# Altium PCB Longde1.PcbDoc
Units mm, origin at the board's own origin, x right, y up, seen from the top; angles counter-clockwise.
Board outline 80.39 x 79.5 mm, 2 copper layers (Top Layer, Bottom Layer); 61 components, 43 nets, 235 pads, 47 vias.
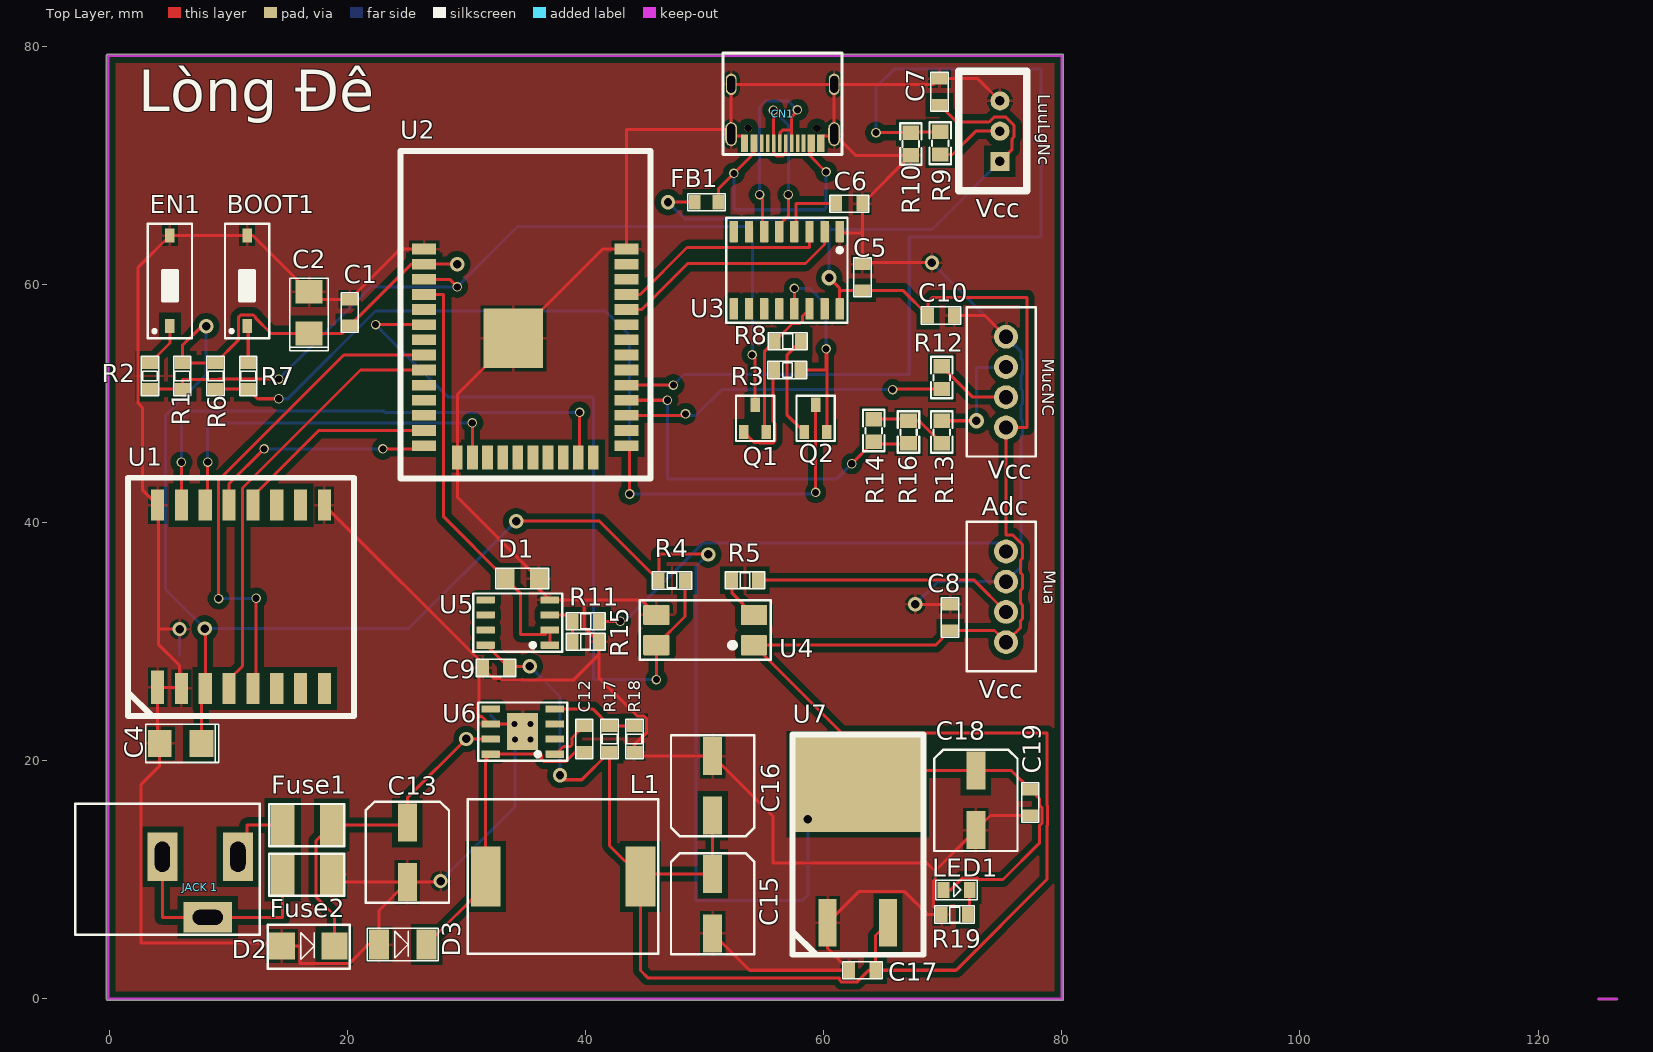
[diagram p0: Top Layer view]
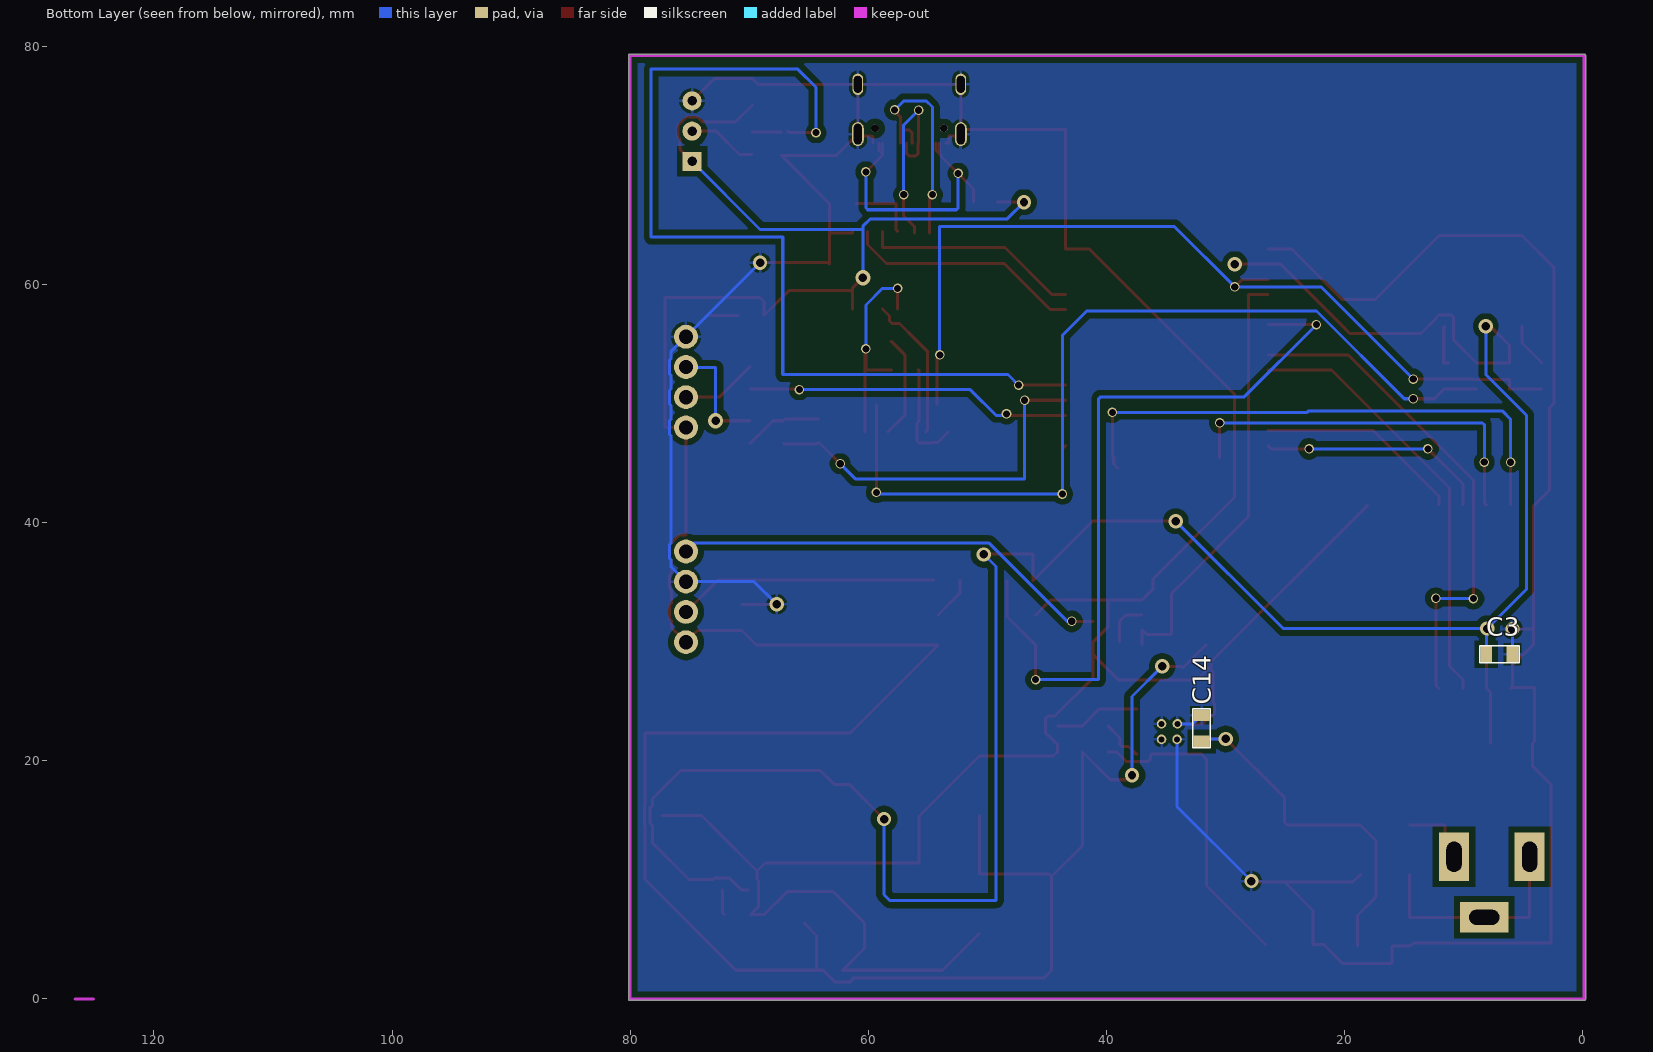
[diagram p1: Bottom Layer view, seen from below]
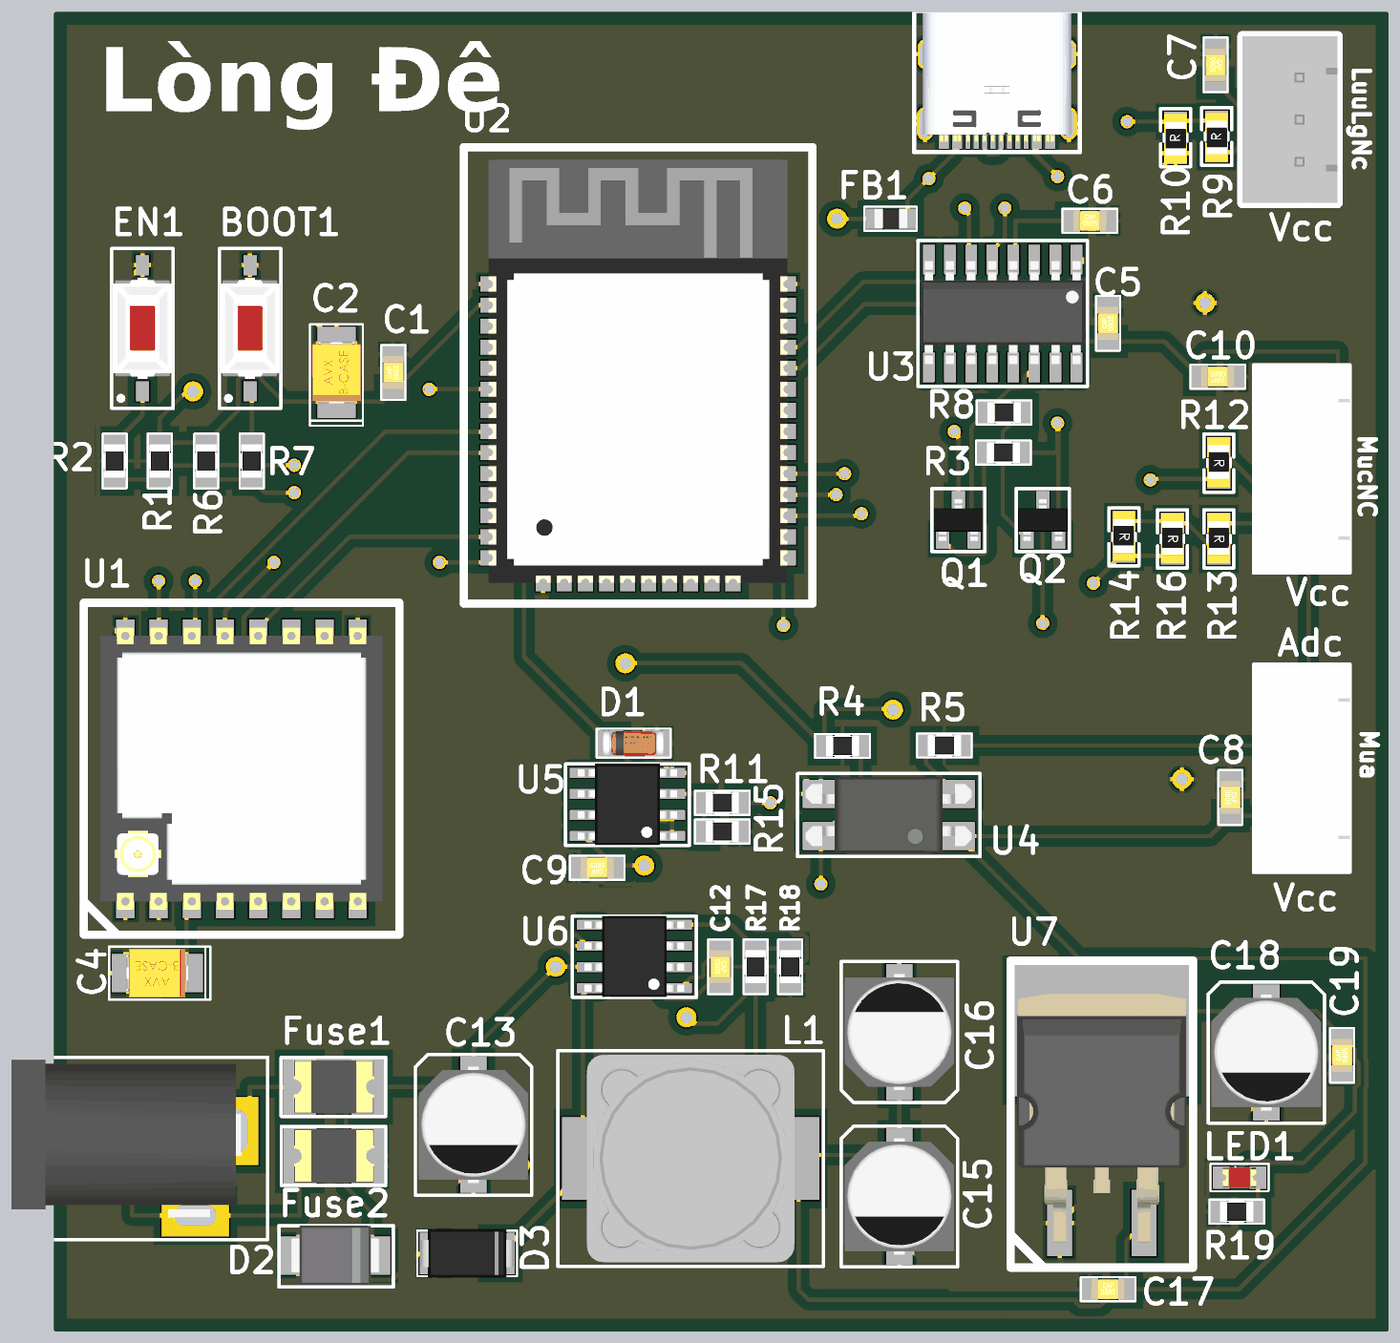
[diagram p2: 3D render of the assembled board from above, using the file's embedded part models]

## Layer stack, top to bottom
Top Solder: solder mask 0.0102, Solder Resist, Dk 3.5
Top Layer: signal copper 0.0356
Dielectric 1: dielectric 0.32, FR-4, Dk 4.8
Bottom Layer: signal copper 0.0356
Bottom Solder: solder mask 0.0102, Solder Resist, Dk 3.5

## Board outline
-0.254,0 -0.254,79.248 cw(c-0.127,79.248) -0.127,79.375 80.01,79.375 cw(c80.01,79.248) 80.137,79.248 80.137,0 cw(c80.01,0) 80.01,-0.127 0,-0.127 -0.064,-0.11 cw(c-0.127,0)

## Design rules (kind name [scope] priority, off if disabled: settings)
Clearance [All] p1: gap=0.254 ignorepadtopadclearanceinfootprint=FALSE except(0.15: SMDPad-Hole; 0.2: Arc-Arc Arc-Track Arc-SMDPad Track-Track Track-SMDPad SMDPad-SMDPad; 0.5: Arc-Poly Track-Poly SMDPad-Poly THPad-Poly Via-Poly Fill-Poly Poly-Poly)
PolygonConnect [All] p1: connectstyle=Relief reliefconductorwidth=0.254 reliefentries=4 polygonreliefangle="90 Angle" airgapwidth=0.254
RoutingVias [All] p1: holewidth=0.8 width=1 viastyle="Through Hole" minholewidth=0.8 minwidth=1 maxholewidth=0.8 maxwidth=1
SolderMaskExpansion [All] p1: expansion=0.102 istentingtop=FALSE
Width Width_1 [All] p1: maxlimit=0.254 minlimit=0.254 preferedwidth=0.254
Width GND_in [InNet('GND_IN')] p2: maxlimit=1 minlimit=0.5 preferedwidth=0.8
Width 12V_IN [InNet('VCC_12_IN')] p3: maxlimit=1 minlimit=0.5 preferedwidth=0.8 checkconnectedcopper=TRUE
Width GND [InNet('GND')] p4: maxlimit=0.8 minlimit=0.4 preferedwidth=0.6
Width 3.3V [InNet('VCC_3.3')] p5: maxlimit=0.5 minlimit=0.3 preferedwidth=0.4
Width 5V [InNet('VCC_5')] p6: maxlimit=0.8 minlimit=0.4 preferedwidth=0.6
Width 12V [InNet('VCC_12')] p7: maxlimit=1 minlimit=0.5 preferedwidth=0.8
Width [InNet('NetCN1_A7')] p8: maxlimit=0.2 minlimit=0.2 preferedwidth=0.2
30 further rules are at their usual default settings.

## Components (designator, comment, footprint, x,y, rotation, side; value= is the part's Value field where it differs from the comment)
BOOT1 "SW_2pin_SMD" SW2-SMD** 11.557,60.325 r90 top
C1 "100nF/50V" CAP-0805** 20.193,57.658 r90 top
C2 "100uF/10V" CAP-TANTA-3528** 16.764,57.658 r90 top
C3 "100nF/50V" CAP-0805** 6.985,28.956 r0 bottom
C4 "100uF/10V" CAP-TANTA-3528** 5.969,21.463 r180 top
C5 "100nF/50V" CAP-0805** 63.247,60.622 r90 top
C6 "100nF/50V" CAP-0805** 62.146,66.802 r0 top
C7 "100nF/50V" CAP-0805** 69.723,76.2 r270 top
C8 "100nF/50V" CAP-0805** 70.612,32.047 r270 top
C9 "100nF/50V" CAP-0805** 32.469,27.813 r180 top
C10 "100nF/50V" CAP-0805** 69.85,57.404 r180 top
C12 "100nF/50V" CAP-0805** 39.878,21.844 r270 top
C13 "100uF/35V" "CAP-AL- Size D8_6.3×7.7 mm**" 25.019,12.319 r270 top
C14 "100nF/50V" CAP-0805** 32.005,22.733 r270 bottom
C15 "100uF/35V" "CAP-AL- Size D8_6.3×7.7 mm**" 50.673,8.001 r270 top
C16 "100uF/35V" "CAP-AL- Size D8_6.3×7.7 mm**" 50.673,17.907 r90 top
C17 "100nF/50V" CAP-0805** 63.246,2.413 r0 top
C18 "100uF/35V" "CAP-AL- Size D8_6.3×7.7 mm**" 72.771,16.677 r270 top
C19 "100nF/50V" CAP-0805** 77.343,16.51 r90 top
CN1 "USB type C-16" "USB TYPE C-16**" 56.551,74.447 r180 top
D1 "ZMM3.3V" DIO_SOD-80C** 34.671,35.306 r180 top
D2 "SMBJ30A" DO-214AA** 16.688,4.445 r0 top
D3 "B340A" DO-214AC** 24.638,4.572 r0 top
EN1 "SW_2pin_SMD" SW2-SMD** 5.08,60.325 r90 top
FB1 "100mA" "FB 0805**" 50.165,66.929 r180 top value=600R/100mA
Fuse1 "T300_3A" FUSE-1812** 16.633,14.576 r0 top
Fuse2 "T300_3A" FUSE-1812** 16.637,10.414 r0 top
"JACK 1" "DC3501" DC_005** 7.62,9.398 r0 top value="Jac DC"
L1 "CDRH12_22uH" IND_CDRH12_12x12x7MM** 38.1,10.287 r0 top value=22uH
LED1 "LedRed" LED-0805-Red** 71.163,9.144 r0 top
LuuLgNc "Header 3P 2.54 Duc Thang" XH2.54M-3 74.803,70.358 r90 top (schematic designator H1)
Mua "XH 2.54mm" "HER_XH2.54MM _4PIN_STRAGHT**" 75.311,33.782 r90 top (schematic designator CN2)
MucNC "XH 2.54mm" "HER_XH2.54MM _4PIN_STRAGHT**" 75.311,51.816 r90 top (schematic designator CN3)
Q1 "MMBT3904" "SOT23-3 **" 54.229,48.768 r0 top
Q2 "MMBT3904" "SOT23-3 **" 59.309,48.768 r0 top
R1 "10K" Res-0805** 6.096,52.324 r90 top
R2 "10K" Res-0805** 3.429,52.324 r270 top
R3 "10K" Res-0805** 56.939,52.857 r0 top
R4 "10K" Res-0805** 47.244,35.179 r0 top
R5 "390R 1%" Res-0805** 53.383,35.154 r180 top
R6 "10K" Res-0805** 8.89,52.324 r90 top
R7 "10K" Res-0805** 11.684,52.324 r270 top
R8 "10K" Res-0805** 56.98,55.22 r180 top
R9 "10k" "tro smd 0805" 69.723,71.882 r90 top
R10 "20k" "tro smd 0805" 67.249,71.812 r90 top
R11 "10K" Res-0805** 40.005,31.75 r0 top
R12 "330R" "Tro SMD 0805" 69.977,52.197 r270 top
R13 "220R" "tro smd 0805" 69.977,47.625 r270 top
R14 "1k" "tro smd 0805" 64.262,47.752 r270 top
R15 "2K" Res-0805** 40.005,29.972 r180 top
R16 "2k" "Tro SMD 0805" 67.183,47.625 r270 top
R17 "10K" Res-0805** 42.037,21.844 r270 top
R18 "3.24K" Res-0805** 44.069,21.844 r90 top
R19 "1K" Res-0805** 70.993,7.112 r0 top
U1 "RA-02" RA-02 11.049,33.782 r90 top
U2 "" ESP32WROOM32E8MB 34.934,54.237 r0 top
U3 "CH340C" SOIC-16** 56.896,61.214 r270 top
U4 "L817BN" SOP-4** 50.038,30.988 r180 top value=PC817
U5 "LM358" SOIC8** 34.29,31.623 r180 top
U6 "TPS5430" SOIC8-PAD** 34.711,22.464 r180 top
U7 "LM1084ISX-3.3" TO-263/D2PAK 62.865,12.214 r0 top

## Footprints (in the part's own frame and the unit in brackets; to place one, negate y for a bottom-side part, rotate by r counter-clockwise, add the part's x,y. Pads: shape width x height; smd on the part's side, far side on the other; paste and mask are expansions set on the pad)
CAP-0805** [mm]
  rect 1x1.35 smd: 1(-1.1,0) 2(1.1,0)
  silkscreen extent -1.65,-0.72 1.65,0.73, body extent -1,-0.62 1,0.63, height 1.25
"CAP-AL- Size D8_6.3×7.7 mm**" [mm] "6.3×7.7 mm"
  rect 3.2x1.6 smd: 1(-2.5,0) 2(2.5,0)
  silkscreen extent -4.25,-3.5 4.25,3.5, body extent -3.5,-3.3 3.5,3.3, height 7.71
CAP-TANTA-3528** [mm]
  rect 2x2.3 smd: 1(-1.75,0) 2(1.75,0)
  silkscreen extent -3.2,-1.6 2.9,1.6, body extent -1.85,-1.46 1.85,1.47, height 2.03
DC_005** [mil] "Jack DC3.5x1.3MM DC3501"
  rect 100x160 hole 50 slot 100 at 90 deg: 1(125,100) 2(-125,100)
  rect 160x100 hole 50 slot 100 at 0 deg: 3(25,-100)
  silkscreen extent -413,-157 197,276, body extent -410,-105 134,269, height 434
DIO_SOD-80C** [mm]
  rect 1.5x1.6 smd: 1(-1.4,0) 2(1.4,0)
  silkscreen extent -2.22,-0.89 2.23,0.86, body extent -1.82,-0.8 1.88,0.8, height 1.6
DO-214AA** [mm]
  rect 2.2x2.3 smd: 1(-2.21,0) 2(2.21,0)
  silkscreen extent -3.39,-1.9 3.5,1.8, body extent -2.7,-1.8 2.7,1.8, height 2.32
DO-214AC** [mm]
  rect 1.7x2.5 smd: 1(-2,0) 2(2,0)
  silkscreen extent -3,-1.37 3,1.38, body extent -2.8,-1.48 2.8,1.48, height 2.7
ESP32WROOM32E8MB [mm]
  rect 2x0.9 smd: 1(-8.5,8.755) 2(-8.5,7.485) 3(-8.5,6.215) 4(-8.5,4.945) 5(-8.5,3.675) 6(-8.5,2.405) 7(-8.5,1.135) 8(-8.5,-0.135) 9(-8.5,-1.405) 10(-8.5,-2.675) 11(-8.5,-3.945) 12(-8.5,-5.215) 13(-8.5,-6.485) 14(-8.5,-7.755) 25(8.5,-7.755) 26(8.5,-6.485) 27(8.5,-5.215) 28(8.5,-3.945) 29(8.5,-2.675) 30(8.5,-1.405) 31(8.5,-0.135) 32(8.5,1.135) 33(8.5,2.405) 34(8.5,3.675) 35(8.5,4.945) 36(8.5,6.215) 37(8.5,7.485) 38(8.5,8.755)
  rect 0.9x2 smd: 15(-5.715,-8.755) 16(-4.445,-8.755) 17(-3.175,-8.755) 18(-1.905,-8.755) 19(-0.635,-8.755) 20(0.635,-8.755) 21(1.905,-8.755) 22(3.175,-8.755) 23(4.445,-8.755) 24(5.715,-8.755)
  rect 5x5 smd: 38(-1,1.255)
  silkscreen extent -10.5,-10.5 10.5,17, body extent -9,-9.25 9,16.25, height 3.1
"FB 0805**" [mm] "Chip Resistor, Body 2.0x1.2mm, IPC High Density"
  rect 1x1.2 smd: 1(-1,0) 2(1,0)
  silkscreen extent -1.55,-0.72 1.6,0.73, body extent -1,-0.6 1,0.6, height 0.95
FUSE-1812** [mm]
  rect 2x3.5 smd: 1(-2.084,0.029) 2(2.036,0.029)
  silkscreen extent -3.2,-1.75 3.1,1.8, body extent -2.43,-1.58 2.39,1.64, height 1.32
"HER_XH2.54MM _4PIN_STRAGHT**" [mm] "XH2.54MM 90 d? 2.54"
  round 2 hole 1.2 mask+0.1: 1(-3.81,0) 2(-1.27,0) 3(1.27,0) 4(3.81,0)
  silkscreen extent -6.25,-2.5 6.3,3.3, body extent -6.25,-2.5 6.25,3.3, height 7
IND_CDRH12_12x12x7MM** [mm]
  rect 2.5x5 smd: 1(-6.5,0) 2(6.5,0)
  silkscreen extent -8,-6.5 8,6.5, body extent -6.25,-6.25 6.25,6.25, height 6
LED-0805-Red** [mm]
  rect 1x1.35 smd: 1(-1.1,0) 2(1.1,0)
  silkscreen extent -1.75,-0.82 1.75,0.82, body extent -1.01,-0.63 1.01,0.63, height 1.1
RA-02 [mm]
  rect 2.8x1.1 smd: 1(-7.6,7)
  rect 2.6x1.1 smd: 2(-7.7,5) 3(-7.7,3) 4(-7.7,1) 5(-7.7,-1) 6(-7.7,-3) 7(-7.7,-5) 8(-7.7,-7) 9(7.7,-7) 10(7.7,-5) 11(7.7,-3) 12(7.7,-1) 13(7.7,1) 14(7.7,3) 15(7.7,5) 16(7.7,7)
  silkscreen extent -10,-9.5 10,9.5, body extent -8.5,-8.5 8.5,8.5, height 3.3
Res-0805** [mm]
  rect 1x1.35 smd: 1(-1.1,-0.025) 2(1.1,-0.025)
  silkscreen extent -1.65,-0.75 1.65,0.7, body extent -1,-0.65 1,0.6, height 0.5
SOIC8** [mm]
  rrect10% 1.55x0.6 smd mask+0.07: 1(-2.7,1.905) 2(-2.7,0.635) 3(-2.7,-0.635) 4(-2.7,-1.905) 5(2.7,-1.905) 6(2.7,-0.635) 7(2.7,0.635) 8(2.7,1.905)
  silkscreen extent -3.73,-2.44 3.73,2.46, body extent -3,-2.45 3,2.45, height 1.75
SOIC8-PAD** [mm]
  rrect10% 1.55x0.6 smd mask+0.07: 1(-2.7,1.905) 2(-2.7,0.635) 3(-2.7,-0.635) 4(-2.7,-1.905) 5(2.7,-1.905) 6(2.7,-0.635) 7(2.7,0.635) 8(2.7,1.905)
  round 0.8 hole 0.5: 9(-0.65,0.65) 9(-0.65,-0.65) 9(0.65,0.65) 9(0.675,-0.65)
  rect 2.6x3.1 smd mask+0.07: 9(0,0)
  silkscreen extent -3.73,-2.44 3.73,2.46, body extent -3,-2.45 3,2.45, height 1.75
SOIC-16** [mm]
  rrect10% 1.8x0.7 smd: 1(-3.25,4.445) 2(-3.25,3.175) 3(-3.25,1.905) 4(-3.25,0.635) 5(-3.25,-0.635) 6(-3.25,-1.905) 7(-3.25,-3.175) 8(-3.25,-4.445) 9(3.25,-4.445) 10(3.25,-3.175) 11(3.25,-1.905) 12(3.25,-0.635) 13(3.25,0.635) 14(3.25,1.905) 15(3.25,3.175) 16(3.25,4.445)
  silkscreen extent -4.4,-5.1 4.4,5.1, body extent -3.15,-4.95 3.05,4.95, height 1.7
SOP-4** [mm]
  rrect10% 2.2x1.7 smd mask+0.07: 1(-4.1,1.27) 2(-4.1,-1.27) 3(4.1,-1.27) 4(4.1,1.27)
  silkscreen extent -5.5,-2.5 5.5,2.5, body extent -4.99,-2.29 5.02,2.29, height 3.95
"SOT23-3 **" [mm] "SOT23, 3-Leads, Body 2.97x2.30mm, Pitch 0.95mm, IPC Medium Density"
  rect 0.8x1.2 smd mask+0.07: 1(-0.95,-1.15) 2(0.95,-1.15) 3(0,1.15)
  silkscreen extent -1.6,-1.9 1.6,1.9, body extent -1.5,-1.25 1.5,1.25, height 1.11
SW2-SMD** [mm]
  rect 1.2x0.8 smd: 1(-3.8,0) 2(3.8,0)
  silkscreen extent -4.82,-1.85 4.8,1.85, body extent -3.05,-1.85 3.05,1.85, height 2.5
TO-263/D2PAK [mm]
  rect 1.5x4 smd: 1(-2.54,-5.82) 3(2.54,-5.82)
  rect 11x8 smd: 2(0,5.82)
  silkscreen extent -5.5,-8.5 5.5,10, body extent -5.1,-7 5.1,8.01, height 4.5
"tro smd 0805" [mm]
  rect 1.2x1.4 smd: 1(-0.946,-0.061) 2(0.954,-0.061)
  silkscreen extent -1.75,-0.97 1.75,0.84, body extent -1.56,-0.76 1.44,0.64, height 0.53
"Tro SMD 0805" [mm]
  rect 1.2x1.4 smd: 1(-0.946,-0.061) 2(0.954,-0.061)
  silkscreen extent -1.75,-0.97 1.75,0.84, body extent -1.56,-0.76 1.44,0.64, height 0.53
"USB TYPE C-16**" [mm]
  rect 0.3x1.5 smd mask+0.05: A1(-3.35,2.565) A4(-2.55,2.565) A5(-1.25,2.565) A6(-0.25,2.565) A7(0.25,2.565) A8(1.25,2.565) A9(2.55,2.565) A12(3.35,2.565) B1(3.05,2.565) B4(2.25,2.565) B5(1.75,2.565) B6(0.75,2.565) B7(-0.75,2.565) B8(-1.75,2.565) B9(-2.25,2.565) B12(-3.05,2.565)
  oval 1x2 hole 0.65 slot 1.72 at 90 deg: MH1(-4.325,1.795) MH2(4.325,1.795)
  oval 0.9x1.8 hole 0.65 slot 1.4 at 90 deg: MH3(-4.325,-2.385) MH4(4.325,-2.385)
  round 0.65 hole 0.65 unplated: ""(-2.89,1.315) ""(2.89,1.315)
  silkscreen extent -5,-5 5,3.5, body extent -4.47,-4.88 4.47,2.87, height 3.26
XH2.54M-3 [mm]
  rect 1.6x1.6 hole 0.8: 1(0,0)
  round 1.6 hole 0.8: 2(2.54,0) 3(5.08,0)
  silkscreen extent -2.48,-2.26 7.56,3.46, body extent -2.48,-2.26 7.56,3.48, height 6.91

## Part data
C1 C3 C5 C6 C7 C8 C9 C10 C12 C14 C17 C19: library part Cap-100nF/50V_0805, "2Pin-SMD-0805 ,Ceramic X7R", Supplier Part Number 1=478-5794-1-ND, ComponentLink2Description=LINK, ComponentLink2URL=https://detail.tmall.com/item.htm?spm=a230r.1.14.4.26821280N1IkGr&id=14263740089&ns=1&abbucket=13, Supplier 1=Digi-Key
C2 C4: library part "Cap-Tanta_100uF/10V 3528", "Cap-Tantalum  SMD3528 3.5mm x 2.8mm", ComponentLink1Description=LINK, ComponentLink1URL=https://www.linhkienchatluong.vn/tu-tantalium/tu-tantalum-3528-107a-10v-100uf-35x28mm-tajb107m010rnj_sp460_ct1163.aspx
C13 C15 C16 C18: library part Cap-Al_100uF/35V, "Cap-Al-Size D8_6.3×7.7 mm", Supplier Part Number 1=PCE4023CT-ND, ComponentLink1Description=LINK, ComponentLink1URL=https://detail.tmall.com/item.htm?id=41255381063&ali_refid=a3_430620_1006:1109983619:N:mR14IaEyJGx9IXgn9mrJ8g==:fcc8671f3f0767a2a283883aff17c2c8&ali_trackid=1_fcc8671f3f0767a2a283883aff17c2c8&spm=a230r.1.14.11, Supplier 1=Digi-Key
CN1: Package=None, Availability="In Stock", Check_prices=https://www.snapeda.com/parts/CSP-USC16-TR/Valcon/view-part/?ref=eda, MF=Valcon, MP=CSP-USC16-TR, Price=None, Purchase-URL=https://pricing.snapeda.com/search/part/CSP-USC16-TR/?ref=eda, SnapEDA_Link=https://www.snapeda.com/parts/CSP-USC16-TR/Valcon/view-part/?ref=snap
D1: library part DZener_ZMM3.3V, "DZener_ZMM3.3V,SOD-80C", ComponentLink1Description=LINK, ComponentLink1URL=https://detail.tmall.com/item.htm?spm=a230r.1.14.11.4c6f2e27C7N5AA&id=44184695267&ns=1&abbucket=16&skuId=3817262781770
D2: library part D-TVS_SMBJ30A, "DO-214AA**", Supplier Part Number 1=497-7452-1-ND, Supplier 1=Digi-Key
D3: library part DSchottky_B340A, "DO_214AC", Supplier Part Number 1=B340A-FDICT-ND, Code_JEDEC=DO-214-AA, LatestRevisionDate=17-Jul-2002, LatestRevisionNote="Re-released for DXP Platform.", PackageDescription="DO-214-AA/SMB; 2 C-Bend Leads; Body 5.3 x 3.6 mm, inc. leads (LxW)", PackageReference=SMB, Published=8-Jun-2000, Publisher="Altium Limited", Supplier 1=Digi-Key
FB1: library part FB0805/600R_0805, "FB0805/600R/0805", Supplier Part Number 1=732-1605-1-ND, Code_IEC=1005, Code_JEITA=0402, ComponentLink1Description=LINK, ComponentLink1URL=https://detail.tmall.com/item.htm?spm=a230r.1.14.19.4d2d4104dPStzc&id=520400456792&ns=1&abbucket=14, LatestRevisionDate=29-May-2009, LatestRevisionNote="IPC-7351 Footprint Added.", PackageDescription="Chip Inductor", PackageReference=0402-A, Published=8-Jun-2000, Publisher="Altium Limited", Supplier 1=Digi-Key
Fuse1 Fuse2: library part "FUSE 3A _1812", "SMD 1812", ComponentLink1Description=LINK
"JACK 1": library part "Jack  DC3501", "Jack DC3.5x1.3MM DC3501", ComponentLink1Description=LINK, ComponentLink1URL=https://banlinhkien.vn/search.php?encode=YToyOntzOjg6ImtleXdvcmRzIjtzOjc6IiBEQzM1MDEiO3M6MTg6InNlYXJjaF9lbmNvZGVfdGltZSI7aToxNTk1MTMzOTcxO30=
L1: library part IN_CDRH12_22uH, "CDRH12_12x12x7MM**", Manufacturer="Generic Components", Class=Passive, ComponentLink1Description=LINK, ComponentLink1URL=https://detail.tmall.com/item.htm?spm=a230r.1.14.4.22082c55KfJoCj&id=611579782762&ns=1&abbucket=13, Published=08/06/2000, Publisher="Altium Hobart Technology Centre", SubClass=Inductor
LED1: "2Pin-SMD"
LuuLgNc: "Cắm", Chung_Loai=Cắm, Don_Vi=Con, Ma_Hang=MH001292, Ten_Linh_Kien="Header 3P XH2.54-3P Đực Thẳng"
Mua MucNC: library part "HER_4_XH 2.54mm", "HER_4_XH 2.54mm", ComponentLink1Description=LINK, ComponentLink1URL=https://detail.tmall.com/item.htm?spm=a230r.1.14.1.7abc6ed1rwoYSw&id=13300685584&ns=1&abbucket=14
Q1 Q2: library part TRA-N_MMBT3904, "3PIN-SOT23,MMBT3904", ComponentLink1Description=LINK, ComponentLink1URL=https://item.taobao.com/item.htm?id=527006583092&ali_refid=a3_430620_1006:1121200726:N:XI%2BpTmT8xw9bZIeM%2FjTiLA%3D%3D:19dd16769967fd6e0912d0270aacb09b&ali_trackid=1_19dd16769967fd6e0912d0270aacb09b&spm=a230r.1.14.6#detail
R1 R2 R3 R4 R6 R7 R8 R11 R17: library part "Res-10K 0805 SMD", "Res-10K 0805 SMD", Supplier Part Number 1=P2.2KADCT-ND, ComponentLink1Description=LINK, ComponentLink1URL=https://item.taobao.com/item.htm?id=9650284639&ali_refid=a3_430620_1006:1103178945:N:UGPSVTFPMeU0i498yOmUJg%3D%3D:a0464737d977578f179f11ed5bc90629&ali_trackid=1_a0464737d977578f179f11ed5bc90629&spm=a230r.1.14.3#detail, Supplier 1=Digi-Key
R5: library part "Res-390R 1% 0805 SMD", ComponentLink1Description=LINK, ComponentLink1URL=https://www.linhkienchatluong.vn/dien-tro-dan-0805-18w/dien-tro-dan-0805-430k-1-50c_sp837_ct5409.aspx
R9: library part "Tro 0805 1% 10k", "Dán", Chung_Loai=Dán, Don_Vi=Con, Ma_Hang=MH005473, So_Chan=2, Ten_Linh_Kien="Trở 0805 1% 10k"
R10: library part "Tro 0805 5% 20k", "Dán", Chung_Loai=Dán, Don_Vi=Con, Ma_Hang=MH005247, So_Chan=2, Ten_Linh_Kien="Trở 0805 5% 20k"
R12: library part "Tro 0805 5% 330R", "Dán", Chung_Loai=Dán, Don_Vi=Con, Ma_Hang=MH005337, So_Chan=2, Ten_Linh_Kien="Trở 0805 5% 330R"
R13: library part "Tro 0805 5% 220R", "Dán", Chung_Loai=Dán, Don_Vi=Con, Ma_Hang=MH005259, So_Chan=2, Ten_Linh_Kien="Trở 0805 5% 220R"
R14: library part "Tro 0805 1% 1k", "Dán", Chung_Loai=Dán, Don_Vi=Con, Ma_Hang=MH005468, So_Chan=2, Ten_Linh_Kien="Trở 0805 1% 1k"
R15: library part "Res-2K 0805 SMD", "Res-2KK 0805 SMD", Supplier Part Number 1=P20KDBCT-ND, ComponentLink1Description=LINK, ComponentLink1URL=https://banlinhkien.com/tro-0805-5-2k-50c-p6653599.html, Supplier 1=Digi-Key
R16: library part "Tro 0805 5% 2k", "Dán", Chung_Loai=Dán, Don_Vi=Con, Ma_Hang=MH005304, So_Chan=2, Ten_Linh_Kien="Trở 0805 5% 2k"
R18: library part "Res-3.24K 0805 SMD", "Res-3.24K 0805 SMD", Supplier Part Number 1=P2.2KADCT-ND, ComponentLink1Description="New link", ComponentLink1URL=https://detail.tmall.com/item.htm?spm=a230r.1.14.40.76941cc8lWAt5G&id=601599239036&ns=1&abbucket=13&skuId=4207155181076, Supplier 1=Digi-Key
R19: library part "Res-1K 0805 SMD", "Res-1K 0805 SMD", Supplier Part Number 1=311-1.00KCRDKR-ND, ComponentLink1Description=LINK, ComponentLink1URL=https://detail.tmall.com/item.htm?spm=a230r.1.14.11.52f63c9f5M7ld0&id=590284119473&ns=1&abbucket=18, Supplier 1=Digi-Key
U1: "General ISM < 1GHz LoRaâ„¢ Transceiver Module 410MHz ~ 525MHz Antenna Not Included, I-PEX Surface Mount", Package=None, Check_prices=https://www.snapeda.com/parts/RA-02/AI-Thinker/view-part/?ref=eda, MF=Ai-Thinker, MP=RA-02, SnapEDA_Link=https://www.snapeda.com/parts/RA-02/AI-Thinker/view-part/?ref=snap
U2: library part ESP32-WROOM-32E__8MB_, "Integrated Circuit", Manufacturer_Name="Espressif Systems", Manufacturer_Part_Number="ESP32-WROOM-32E (8MB)", Mouser Part Number=356-ESP32WRM32E164PH, Datasheet Link=https://www.espressif.com/sites/default/files/documentation/esp32-wroom-32_datasheet_en.pdf, Height=3.2mm, Mouser Price/Stock=https://www.mouser.co.uk/ProductDetail/Espressif-Systems/ESP32-WROOM-32E-8MB?qs=GBLSl2AkirsjshqvD9slKA%3D%3D
U3: "16Pin-SOIC", ComponentLink1Description=LINK, ComponentLink1URL=https://item.taobao.com/item.htm?id=639554726734&ali_refid=a3_430620_1006:1261900192:N:GznzMacpvOVvv07TLoCAYw%3D%3D:7282688349290e4dc0857049d96b4ef9&ali_trackid=1_7282688349290e4dc0857049d96b4ef9&spm=a230r.1.14.6#detail
U4: library part OPTO_L817BN, "L817BN SOP4", ComponentLink1Description=LINK, ComponentLink1URL=https://item.taobao.com/item.htm?spm=a230r.1.14.19.6c471961JMIiKV&id=598294866942&ns=1&abbucket=16#detail
U5: "SOIC8"
U6: "SOIC8 pad-Height 1.7mm", Supplier Part Number 1=296-19447-5-ND, ComponentLink1Description=LINK, ComponentLink1URL=https://item.taobao.com/item.htm?id=575547225646&ali_refid=a3_430620_1006:1157180137:N:TqzOo3Qsw2wJKBie%2FoCIZA%3D%3D:72b2137211524287db0a57c77fec9fe5&ali_trackid=1_72b2137211524287db0a57c77fec9fe5&spm=a230r.1.14.3#detail, Supplier 1=Digi-Key
U7: "TO263-3"
BOOT1 EN1: ComponentLink1Description=LINK, ComponentLink1URL=https://www.linhkienchatluong.vn/nut-nhan-sieu-nho/nut-nhan-2-chan-dan-3x6x25mm-loai-tot-dong-day-10c_sp849_ct1800.aspx

## Via types
v1: diameter 0.8, hole 0.6, Top Layer to Bottom Layer, 31 vias
v2: diameter 1.2, hole 0.711, Top Layer to Bottom Layer, 14 vias
v3: diameter 1.27, hole 0.711, Top Layer to Bottom Layer, 2 vias

## Nets (pads, with @x,y where several pads share a name; then routed paths per layer and width w, separated by ;. In a path a pad name is that pad's centre, name@x,y a point inside that pad or via, vN(x,y) a via of type N, cw(c..) or ccw(c..) an arc to the next point about the centre after c; other vN are vias at no path point)
ADC_IN_1: Mua.4 R11.2 | length 37.2
  Top Layer w0.254: R11.2 v1(42.901,31.725)
  Bottom Layer w0.254: v1(42.901,31.725) 43.291,31.725 49.886,38.319 50.698,38.319 74.584,38.319 Mua.4
D1: Mua.2 R5.1 | length 21.9
  Top Layer w0.254: R5.1 72.644,35.179 Mua.2
DTR#: Q2.2 R3.2 U3.13 | length 19.5
  Top Layer w0.254: U3.13 v1(57.531,59.69) ; R3.2 60.071,52.832 60.198,52.959 v1(60.198,54.61) 60.259,54.549 Q2.2
  Bottom Layer w0.254: v1(57.531,59.69) 58.801,59.69 60.198,58.293 v1(60.198,54.61)
EN_ESP32: Q1.3 R1.1 R2.2 U2.3 | length 74.8
  Top Layer w0.254: R2.2 R1.1 6.121,52.045 8.099,52.045 8.105,52.051 9.144,52.051 9.163,52.07 v1(14.224,52.07) ; U2.3 28.575,60.452 v1(29.21,59.817) ; v1(53.975,54.102) 54.229,53.848 Q1.3
  Bottom Layer w0.254: v1(14.224,52.07) 21.971,59.817 v1(29.21,59.817) 34.269,64.876 53.996,64.876 53.996,54.123 v1(53.975,54.102)
ESP32_ADC_1: D1.2 U2.4 U5.1 U5.2 | length 36.8
  Top Layer w0.254: U2.4 28.075,59.182 28.075,40.502 D1.2 34.544,34.033 34.544,30.607 36.609,30.607 U5.2 U5.1
ESP32_GPIO_ECHO: R14.2 R16.2 U2.28 | length 31.6
  Top Layer w0.254: U2.28 v1(46.863,50.292) ; v1(62.357,44.958) 64.102,46.703 64.296,46.703 64.39,46.609 67.061,46.609 R16.2
  Bottom Layer w0.254: v1(46.863,50.292) 46.863,43.688 61.087,43.688 v1(62.357,44.958)
ESP32_GPIO_TRIGGER: R12.2 U2.27 | length 27.5
  Top Layer w0.254: U2.27 48.26,49.022 v1(48.387,49.149) ; v1(65.786,51.181) 65.848,51.243 R12.2
  Bottom Layer w0.254: v1(48.387,49.149) 48.514,49.022 49.276,49.022 51.435,51.181 v1(65.786,51.181)
ESP32_GPIO_YF-S201C: R9.2 R10.2 U2.29 | length 84.1
  Top Layer w0.254: U2.29 v1(47.371,51.562) ; v1(64.389,72.771) 66.675,72.771 R10.2@66.802,72.898 ; R10.2 67.38,72.836 R9.2
  Bottom Layer w0.254: v1(47.371,51.562) 48.26,52.451 67.183,52.451 67.183,64.008 78.232,64.008 78.232,78.105 65.913,78.105 64.389,76.581 v1(64.389,72.771)
GND: BOOT1.2 C1.2 C2.2 C3.1 C4.2 C5.2 C6.2 C7.1 C8.1 C9.2 C10.1 C13.2 C14.1 C15.2 C16.2 C17.1 C18.2 C19.1 CN1.A1 CN1.A12 CN1.B1 CN1.B12 CN1.MH1 CN1.MH2 CN1.MH3 CN1.MH4 D1.1 D2.1 D3.1 EN1.2 Fuse2.2 LuuLgNc.3 Mua.3 MucNC.4 R10.1 R15.1 R18.1 R19.1 U1.1 U1.2 U1.9 U1.16 U2.1 U2.15 U2.38 U3.1 U4.3 U5.4 U6.6 U6.9 U7.1 | length 455.1
  Top Layer w0.254: v2(5.885,31.072) 4.15,31.072 4.107,31.115 ; U1.2 U1.2@5.949,26.182 ; U1.9 31.209,28.322 C9.2@31.209,27.653 ; Fuse2.2 19.297,9.819 C13.2 ; U2.1 24.427,62.992 C1.2 17.414,58.758 C2.2 12.047,64.125 BOOT1.2 EN1.2 2.413,61.458 2.413,54.071 2.402,54.059 2.402,52.789 2.413,52.777 2.413,51.871 2.402,51.859 2.402,50.589 2.413,50.577 2.413,50.038 2.76,49.691 2.76,42.771 U1.16 4.107,41.424 4.107,31.115 ; v2(27.813,9.906) 27.726,9.819 C13.2 ; U6.9@34.036,23.114 34.021,23.099 U6.6 31.892,23.099 31.249,23.742 31.118,23.742 30.909,23.951 30.909,24.787 31.05,24.927 31.05,27.494 C9.2@31.209,27.653 ; U4.3 44.668,33.528 39.878,33.528 ; C15.2 53.761,2.413 C17.1 60.325,4.234 U7.1 62.948,9.017 66.802,9.017 68.732,7.087 R19.1 69.236,7.744 69.236,9.954 69.342,10.06 69.342,10.748 ; CN1.B1 CN1.A12 53.201,72.482 53.178,72.505 52.373,72.505 CN1.MH2 ; CN1.B12 59.601,72.403 59.624,72.426 59.878,72.426 59.901,72.449 59.901,72.482 59.924,72.505 60.729,72.505 CN1.MH1 ; U3.1 61.341,64.337 63.097,64.337 63.246,64.486 ; v2(67.691,33.147) C8.1 ; v2(69.088,61.849) 63.374,61.849 C5.2 C6.2 67.31,70.864 R10.1 62.662,70.866 CN1.MH1 ; C10.1 73.533,57.404 MucNC.4 ; LuuLgNc.3 72.941,77.3 C7.1 69.255,76.832 CN1.MH3 ; C19.1 74.004,15.41 C18.2 69.342,10.748 ; 4.107,31.115 4.107,29.802 5.885,28.024 5.885,26.246 U1.2@5.949,26.182 ; U1.2@5.949,26.182 U1.1 4.049,21.633 C4.2 4.219,19.586 2.667,18.034 2.667,4.699 14.224,4.699 D2.1 16.002,4.445 16.002,2.968 20.133,2.968 21.737,4.572 D3.1 22.638,7.438 C13.2 ; C9.2@31.209,27.653 C9.2 32.258,26.924 32.821,26.924 32.934,26.811 39.003,26.811 41.105,28.913 R15.1 ; 39.878,33.528 U5.4 36.071,34.447 D1.1 29.219,42.158 U2.15 29.219,50.777 33.934,55.492 41.434,62.992 43.434,62.992 43.434,73.025 51.853,73.025 CN1.MH2 ; 39.878,33.528 39.878,31.224 R15.1 ; R15.1 41.105,26.989 44.323,23.771 44.905,23.771 45.096,23.579 45.096,22.309 44.905,22.117 44.85,22.117 44.094,21.361 R18.1 44.431,20.407 C16.2 55.753,15.327 55.753,11.43 68.66,11.43 69.342,10.748 ; CN1.MH2 CN1.MH4 CN1.MH3 ; CN1.MH1 CN1.MH3
  Bottom Layer w0.254: C3.1 v2(5.885,31.072) ; v2(27.813,9.906) 34.061,16.154 U6.9@34.061,21.814 ; C14.1 32.724,23.114 U6.9@34.036,23.114 ; v2(67.691,33.147) 69.596,35.052 Mua.3 76.581,36.322 76.581,36.909 76.692,37.02 76.692,38.164 76.581,38.275 76.581,47.323 76.692,47.434 76.692,48.578 76.581,48.689 76.581,49.863 76.692,49.974 76.692,51.118 76.581,51.229 76.581,52.403 76.692,52.514 76.692,53.658 76.581,53.769 76.581,54.356 MucNC.4 v2(69.088,61.849)
GND_IN: "JACK 1.2" "JACK 1.3" Fuse2.1 | length 20.4
  Top Layer w0.254: 5.588,10.795 4.445,11.938 4.445,6.858 8.255,6.858 14.553,6.858 Fuse2.1
GPIO0_ESP: Q2.3 R6.1 R7.2 U2.25 | length 79.5
  Top Layer w0.254: R6.1 R7.2 12.464,50.419 v1(14.224,50.419) ; U2.25 43.688,46.228 v1(43.688,42.418) ; v1(59.309,42.545) Q2.3
  Bottom Layer w0.254: v1(14.224,50.419) 14.986,50.419 22.352,57.785 41.656,57.785 43.688,55.753 v1(43.688,42.418) 59.182,42.418 v1(59.309,42.545)
LORA_INT: U1.5 U2.8 | length 42.4
  Top Layer w0.254: v1(9.172,33.627) 9.172,43.589 19.685,54.102 U2.8 ; U1.5 12.319,26.352 v1(12.319,33.655)
  Bottom Layer w0.254: v1(9.172,33.627) 9.186,33.641 12.305,33.641 v1(12.319,33.655)
LORA_RESET: U1.4 U2.9 | length 36.7
  Top Layer w0.254: U1.4 10.049,26.832 11.172,27.955 11.172,42.917 21.087,52.832 U2.9
NetBOOT1_1: BOOT1.1 R7.1 | length 3.5
  Top Layer w0.254: R7.1@11.26,53.424 R7.1 11.659,56.423 BOOT1.1
NetC6_1: C6.1 U3.4 | length 5.8
  Top Layer w0.254: U3.4 57.658,64.591 57.658,66.802 C6.1
NetC12_1: C12.1 U6.1 | length 3.8
  Top Layer w0.254: U6.1 37.493,20.559 38.136,21.202 38.728,21.202 38.862,21.336 38.862,21.928 C12.1
NetC12_2: C12.2 D3.2 L1.1 U6.8 | length 26.9
  Top Layer w0.254: D3.2 31.6,9.534 L1.1 31.6,20.148 U6.8 36.21,20.559 36.309,20.46 36.309,20.141 36.518,19.932 38.304,19.932 39.116,20.744 C12.2
NetCN1_A4: CN1.A4 CN1.A9 CN1.B4 CN1.B9 FB1.1 | length 25
  Top Layer w0.254: FB1.1 51.165,68.056 53.893,70.784 53.893,70.874 54.001,70.982 ; CN1.A9 54.001,70.982 ; CN1.B4 54.301,71.282 54.001,70.982 ; CN1.B9 58.801,70.982 ; CN1.A4 59.101,71.282 58.801,70.982 ; v1(60.198,69.469) 58.801,70.866 58.801,70.982
  Bottom Layer w0.254: v1(52.451,69.342) 52.451,66.443 52.6,66.294 60.049,66.294 60.198,66.443 v1(60.198,69.469)
NetCN1_A6: CN1.A6 CN1.B6 U3.5 | length 17
  Top Layer w0.254: v1(55.778,74.651) 55.778,71.905 CN1.B6 55.824,71.859 55.824,70.997 56.016,70.805 56.586,70.805 56.778,70.997 56.778,71.859 CN1.A6 ; U3.5@56.134,64.337 56.134,64.887 57.023,65.776 v1(57.023,67.564) v1@57.023,67.688
  Bottom Layer w0.254: v1(55.778,74.651) 57.023,73.406 v1(57.023,67.564)
NetCN1_A7: CN1.A7 CN1.B7 U3.6 | length 19.4
  Top Layer w0.254: v1(54.61,67.564) 54.61,67.44 54.864,67.186 U3.6@54.864,64.337 ; CN1.A7 56.324,71.905 56.324,72.767 56.557,73 57.301,73 ; CN1.B7 57.301,73 ; v1(57.785,74.676) 57.785,74.602 57.301,74.118 57.301,73
  Bottom Layer w0.254: v1(54.61,67.564) 54.61,74.93 55.118,75.438 57.023,75.438 v1(57.785,74.676)
NetCN3_2: MucNC.2 R12.1 | length 6.5
  Top Layer w0.254: R12.1 72.513,50.546 MucNC.2
NetCN3_3: MucNC.3 R13.1 | length 9.9
  Top Layer w0.254: R13.1 v3(72.828,48.571)
  Bottom Layer w0.254: v3(72.828,48.571) 72.828,53.029 75.254,53.029 MucNC.3
NetEN1_1: EN1.1 R2.1 | length 3.8
  Top Layer w0.254: R2.1 5.08,55.1 EN1.1
NetH1_2: LuuLgNc.2 R9.1 | length 5.8
  Top Layer w0.254: R9.1 70.809,70.936 72.771,72.898 LuuLgNc.2
NetLED1_2: LED1.2 R19.2 | length 2.1
  Top Layer w0.254: R19.2 72.263,7.257 LED1.2
NetQ1_1: Q1.1 R3.1 | length 9.2
  Top Layer w0.254: Q1.1 54.161,46.736 54.599,46.736 54.644,46.691 55.714,46.691 55.906,46.883 55.906,48.353 55.753,48.506 55.753,52.832 R3.1
NetQ2_1: Q2.1 R8.1 | length 8.7
  Top Layer w0.254: R8.1 56.896,54.061 56.896,49.081 Q2.1
NetR5_2: R5.2 U4.2 | length 3.7
  Top Layer w0.254: R5.2 52.283,34.113 U4.2
NetR11_1: R11.1 R15.2 U5.3 | length 3.9
  Top Layer w0.254: U5.3 38.372,32.258 R11.1 R15.2
NetR13_2: R13.2 R14.1 R16.1 | length 6.6
  Top Layer w0.254: R14.1 66.995,48.698 R16.1 68.008,48.571 68.462,48.117 68.47,48.117 R13.2
NetR17_1: R17.1 R18.2 U6.4 | length 7.3
  Top Layer w0.254: U6.4 40.587,24.369 R17.1 R18.2
RTS#: Q1.2 R8.2 U3.14 | length 12.4
  Top Layer w0.254: Q1.2 55.012,47.785 55.012,52.022 55.012,53.642 55.012,54.377 R8.2 57.372,56.737 57.996,56.737 58.208,56.949 58.208,57.371 U3.14
RXD0_ESP: U2.34 U3.2 | length 20
  Top Layer w0.254: U2.34 44.704,57.912 48.568,61.776 57.383,61.776 58.474,61.776 60.071,63.373 U3.2
SPI_CLK: U1.12 U2.13 | length 17.4
  Top Layer w0.254: U1.12 12.049,42.232 17.569,47.752 U2.13
SPI_CS: U1.15 U2.23 | length 45.9
  Top Layer w0.254: U1.15 v1(6.049,45.082) ; U2.23@39.035,44.609 39.056,44.609 39.379,44.932 U2.23 39.497,45.6 v1(39.497,49.276)
  Bottom Layer w0.254: v1(6.049,45.082) 6.049,48.699 6.753,49.403 23,49.403 23.127,49.276 v1(39.497,49.276)
SPI_MISO: U1.13 U2.14 | length 19.5
  Top Layer w0.254: U1.13 10.049,43.269 v1(12.992,46.212) ; v1(22.971,46.212) 26.164,46.212 U2.14
  Bottom Layer w0.254: v1(12.992,46.212) v1(22.971,46.212)
SPI_MOSI: U1.14 U2.16 | length 32
  Top Layer w0.254: U1.14 8.255,41.688 v1(8.255,45.096) ; v1(30.48,48.387) 30.48,45.491 U2.16
  Bottom Layer w0.254: v1(8.255,45.096) 8.255,48.238 8.404,48.387 v1(30.48,48.387)
TXD0_ESP: U2.35 U3.3 | length 18.3
  Top Layer w0.254: U2.35 44.577,59.182 48.514,63.119 58.801,63.119 U3.3
VCC_3.3: C1.1 C2.1 C3.2 C4.1 C18.1 C19.2 LED1.1 R1.2 R4.1 R6.2 U1.3 U2.2 U7.2 | length 205
  Top Layer w0.254: C4.1 7.719,25.752 U1.3 8.049,31.067 v2(8.001,31.115) ; v2(8.128,56.515) 7.747,56.515 6.121,54.889 R1.2 R6.2 10.83,55.339 10.83,57.26 11.022,57.452 12.092,57.452 12.284,57.26 12.284,57.185 13.561,55.908 C2.1 19.543,55.908 C1.1 25.357,61.722 U2.2 v2(29.21,61.722) ; v2(34.163,40.132) 41.166,40.132 R4.1 46.144,37.381 50.249,37.381 v2(50.292,37.338) ; v2(58.674,15.113) 61.595,18.034 U7.2 64.008,19.177 C18.1 75.776,19.177 C19.2 78.105,16.848 78.105,16.237 78.153,16.237 78.345,16.045 78.345,14.775 78.153,14.583 78.105,14.583 78.105,13.081 75.057,10.033 73.011,10.033 72.898,10.146 71.628,10.146 70.626,9.144 LED1.1
  Bottom Layer w0.254: C3.2 8.085,31.031 v2(8.001,31.115) ; v2(8.128,56.515) 8.128,52.451 4.699,49.022 4.699,34.417 v2(8.001,31.115) ; v2(34.163,40.132) 25.146,31.115 v2(8.001,31.115) ; v2(50.292,37.338) 49.276,36.322 49.276,8.255 58.166,8.255 58.674,8.763 v2(58.674,15.113)
VCC_5: C5.1 C7.2 C8.2 C9.1 C10.2 C15.1 C16.1 C17.2 FB1.2 L1.2 LuuLgNc.1 Mua.1 MucNC.1 R17.2 U3.16 U4.1 U5.8 U7.3 | length 257.2
  Top Layer w0.254: U5.8 31.664,29.718 C9.1 33.696,27.94 v2(35.306,27.94) ; v2(37.846,18.796) 38.227,18.415 39.683,18.415 R17.2 42.012,12.875 L1.2 ; v2(46.916,66.929) FB1.2 ; C16.1 C15.1 44.814,10.501 L1.2 ; v3(60.452,60.579) 61.341,59.69 61.341,59.373 ; U3.16 61.341,59.373 ; U7.3 64.346,5.335 C17.2 ; C7.2 71.163,73.66 73.895,73.66 74.314,74.079 75.292,74.079 75.984,73.387 75.984,72.409 75.829,72.253 75.829,71.384 LuuLgNc.1 ; L1.2 44.6,2.39 45.212,1.778 61.319,1.778 61.319,1.603 61.511,1.411 62.781,1.411 63.783,2.413 C17.2 ; 61.341,59.373 61.49,59.522 C5.1 66.632,59.522 C10.2 68.75,58.59 69.088,58.928 77.089,58.928 77.089,48.006 MucNC.1 75.311,38.973 75.883,38.973 76.692,38.164 76.692,37.02 76.542,36.869 76.542,35.775 76.692,35.624 76.692,34.48 76.542,34.329 76.542,33.235 76.692,33.084 76.692,31.94 76.542,31.789 76.542,31.203 Mua.1 74.336,30.947 C8.2 69.383,29.718 U4.1 61.495,22.361 68.5,22.361 68.509,22.352 78.74,22.352 78.74,16.292 78.799,16.234 78.799,14.587 78.74,14.528 78.74,10.033 71.12,2.413 C17.2
  Bottom Layer w0.254: v2(35.306,27.94) 37.846,25.4 v2(37.846,18.796) ; v2(46.916,66.929) 48.313,65.532 59.817,65.532 60.452,64.897 60.452,64.643 ; v3(60.452,60.579) 60.452,64.643 ; LuuLgNc.1 69.088,64.643 60.452,64.643
VCC_12: C13.1 C14.2 D2.2 Fuse1.2 U6.7 | length 31
  Top Layer w0.254: D2.2 18.898,7.01 17.542,8.366 17.538,8.366 17.346,8.557 17.346,13.282 Fuse1.2 24.805,14.605 C13.1 25.019,16.891 v2(29.972,21.844) 31.996,21.844 U6.7
  Bottom Layer w0.254: v2(29.972,21.844) 31.794,21.844 C14.2
VCC_12_IN: "JACK 1.1" Fuse1.1 | length 6.4
  Top Layer w0.254: 10.795,11.938 11.557,11.938 11.557,14.605 Fuse1.1
X_1: R4.2 U2.6 U4.4 | length 63.1
  Top Layer w0.254: v1(22.352,56.642) U2.6 ; v1(45.938,26.833) U4.4 48.344,32.124 R4.2
  Bottom Layer w0.254: v1(22.352,56.642) 28.448,50.546 40.513,50.546 40.64,50.419 40.64,26.833 v1(45.938,26.833)
pads on no net: CN1. CN1.A5 CN1.A8 CN1.B5 CN1.B8 U1.6 U1.7 U1.8 U1.10 U1.11 U2.5 U2.7 U2.10 U2.11 U2.12 U2.17 U2.18 U2.19 U2.20 U2.21 U2.22 U2.24 U2.26 U2.30 U2.31 U2.32 U2.33 U2.36 U2.37 U3.7 U3.8 U3.9 U3.10 U3.11 U3.12 U3.15 U5.5 U5.6 U5.7 U6.2 U6.3 U6.5

## Polygon pours and split planes (outlines as drawn)
GND on Top Layer "NONET_L-01_P-001" (solid, remove dead copper, pour order 0): -0.127,79.248 80.01,79.248 80.01,0 -0.127,0
GND on Bottom Layer "NONET_L-01_P-001" (solid, remove dead copper, pour order 1): -0.105,-0.053 -0.105,79.226 -0.127,79.248 80.01,79.248 80.01,0

## Keep-outs
Keep-Out Layer:
  lines w0.254: -0.127,0 -0.127,79.248 80.01,79.248 80.01,0 0,0 ; 125.095,0 126.619,0

## Other copper
Bottom Layer:
  region: 46.863,59.055
  region: 46.863,59.055
  region: 46.863,59.055
  region: 46.863,59.055

## Silkscreen, mask and mechanical layers (free items; w line width, h text height)
Top Overlay:
  text "Lòng Đê" at 2.413,73.411 h6
  text "Vcc" at 72.771,65.659 h1.52
  text "Vcc" at 73.787,43.688 h1.52
  text "Adc" at 73.279,40.64 h1.52
  text "Vcc" at 73.025,25.273 h1.52